# Altium PCB BB.PcbDoc (part 4 of 5)
Units mil, origin at the board's own origin, x right, y up, seen from the top; angles counter-clockwise.
Board outline 6700 x 3500 mil, 4 copper layers (Component Side, Ground Plane, Power Plane, Solder Side), stack 61.197 mil thick; 420 components, 358 nets, 1634 pads, 962 vias.
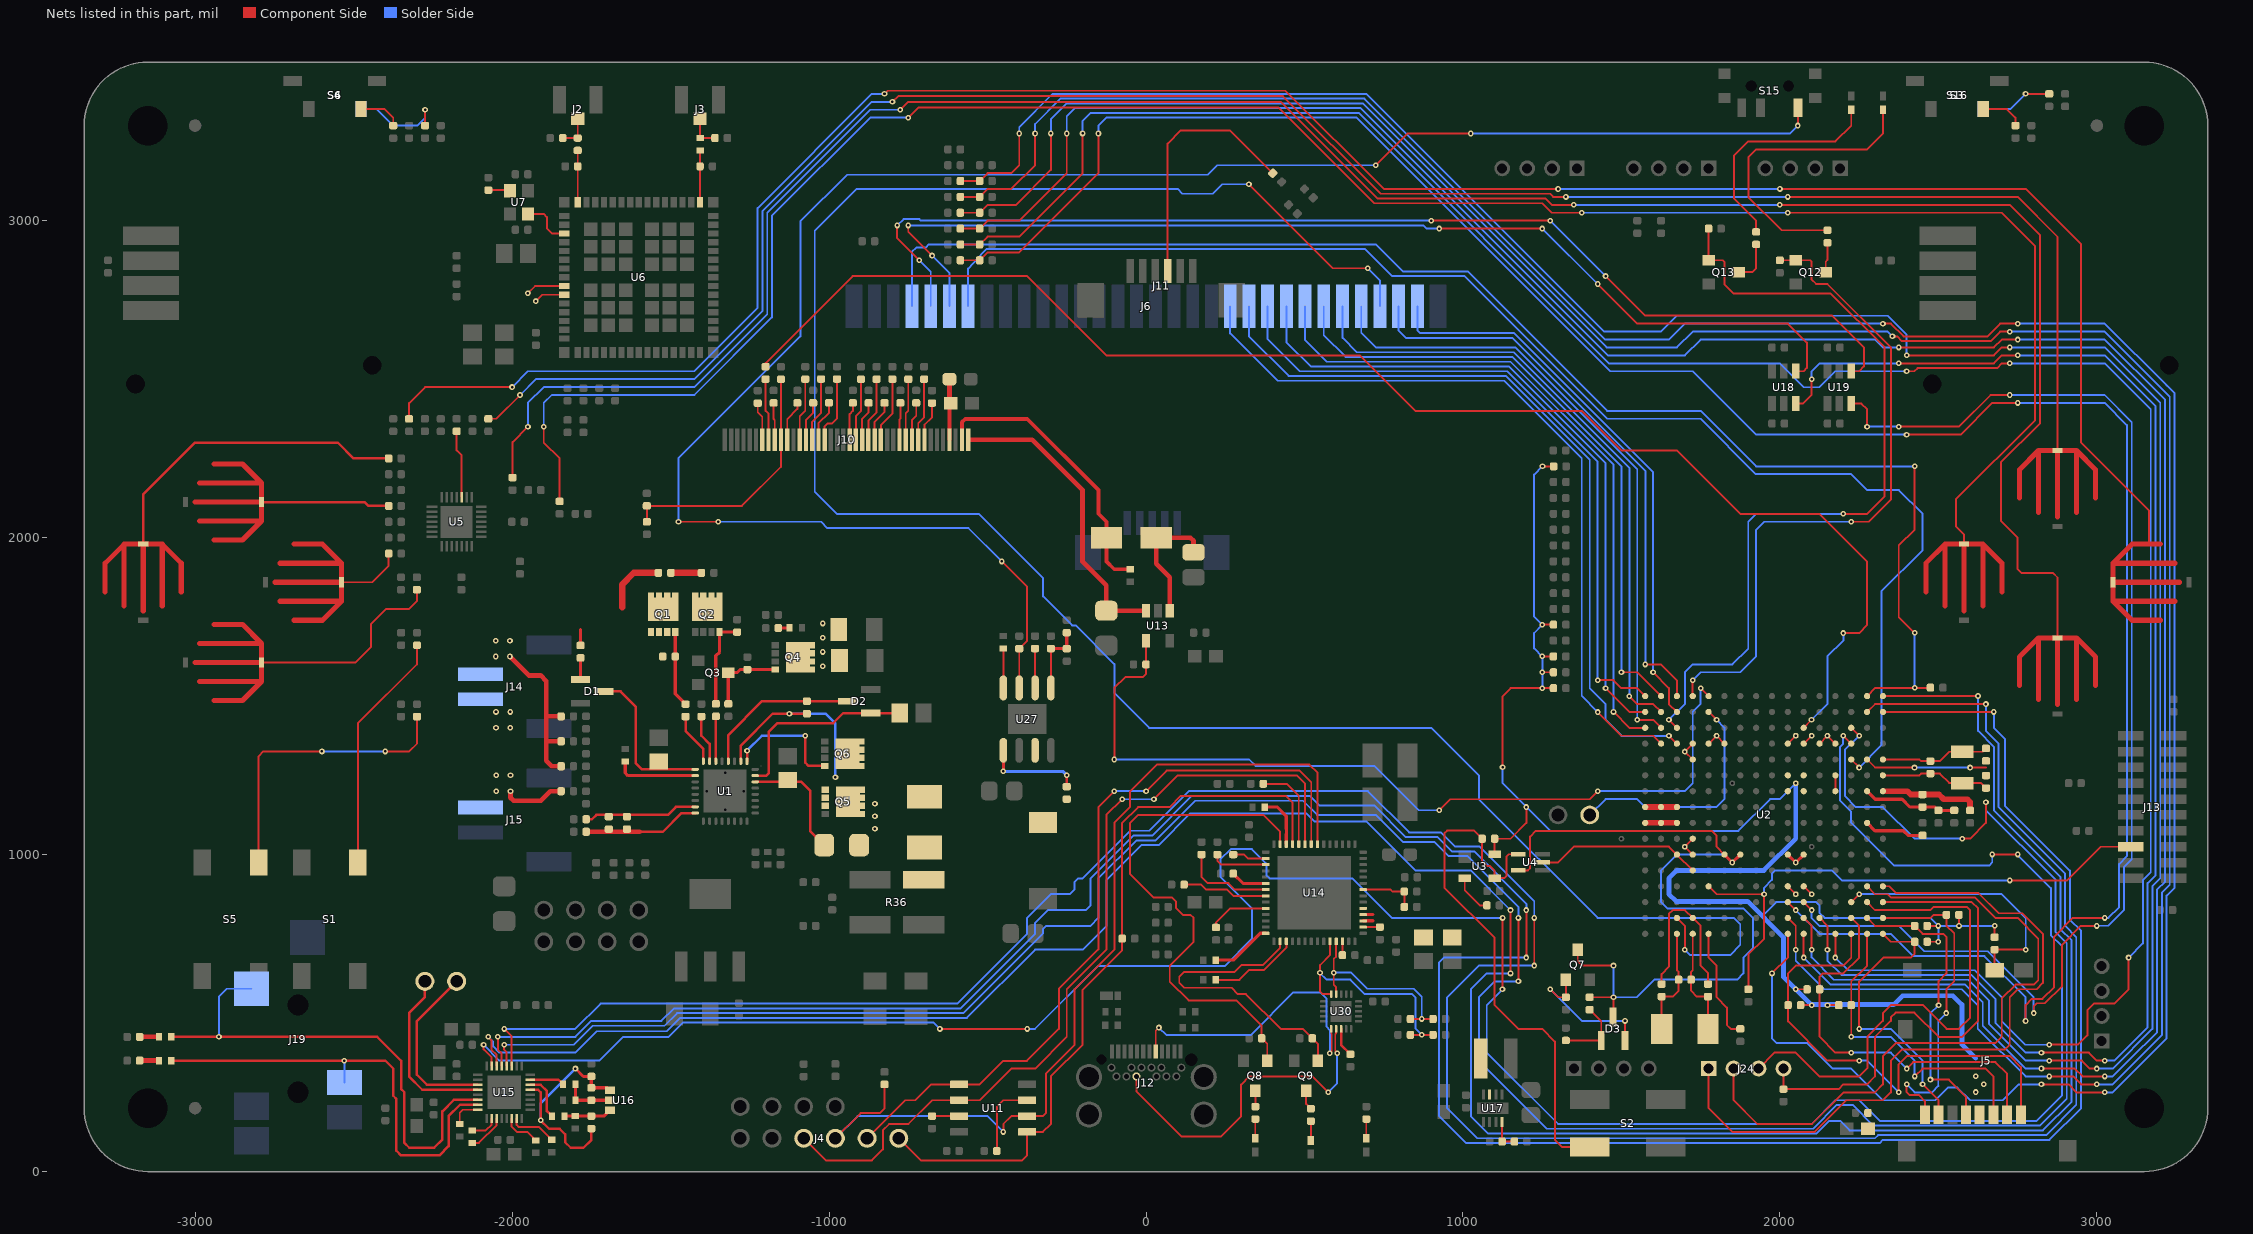
[diagram p6: the nets of this part, all layers, seen from the top]

## Via types
v1: diameter 18, hole 8, Component Side to Solder Side, tented both sides, 907 vias
v2: diameter 19.68, hole 8, Component Side to Solder Side, 32 vias
v3: diameter 24, hole 10, Component Side to Solder Side, tented both sides, 9 vias
v4: diameter 18, hole 8, Component Side to Solder Side, 6 vias
v5: diameter 19.68, hole 7.87, Component Side to Solder Side, 4 vias
v6: diameter 19.68, hole 8, Component Side to Solder Side, tented both sides, 4 vias

## Nets (pads, with @x,y where several pads share a name; then routed paths per layer and width w, separated by ;. In a path a pad name is that pad's centre, name@x,y a point inside that pad or via, vN(x,y) a via of type N, cw(c..) or ccw(c..) an arc to the next point about the centre after c; other vN are vias at no path point) (continued)
LCD_TOUCH_SDA: J11.4 R125.2 | length 806.9
  Component Side w6: J11.4@68.03,2841.54 68.03,3243.21 109.82,3285 265,3285 R125.2@400,3150
LCD_VSYNC: R178.1 U2.F3 | length 4610
  Component Side w6: R178.1@-1200,2539.37 -1200,2550.37 -925.37,2825 -375,2825 -125,2575 674.67,2575 849.67,2400 1375,2400 1500,2275 1675,2275 1874.86,2075.14 2124.86,2075.14 2275.33,1924.67 2275.33,1724.52 2249.81,1699 v1(2200,1699) ; U2.F3@2074.67,1400 v1(2099.67,1425)
  Solder Side w6: v1(2099.67,1425) 2149.67,1475 2149.67,1625 2200,1675.33 v1(2200,1699)
LED0: Q12.1 R129.1 U2.N1 | length 2122.7
  Component Side w6: v1(1724.8,1550) 1724.8,1500.2 U2.N1@1725,1500 ; R129.1@1999.67,2875 Q12.1@2050,2875 2095,2875 2100,2870 2100,2814.37 2114.17,2800.2 2149.8,2800.2 2350,2600 2350,2119.47 2280.53,2050 v1(2225,2050)
  Solder Side w6: v1(1724.8,1550) 1749.95,1575.15 1875,1575.15 1925,1625.15 1925,2025 1950,2050 v1(2225,2050)
LED1: Q13.1 R170.1 U2.P3 | length 2580.4
  Component Side w6: v1(1650,1425) U2.P3@1675,1400 ; R170.1@1775,2975 Q13.1@1775,2875 1820,2875 1825,2870 1825,2800 1855,2770 2160,2770 2330,2600 2330,2130 2275,2075 v1(2199.43,2075)
  Solder Side w6: v1(1650,1425) 1700,1475 1700,1575.35 1724.8,1600.15 1850.15,1600.15 1900,1650 1900,2050 1925,2075 v1(2199.43,2075)
LED_BACKLIGHT_PWM: R106.1 U2.M1 U13.4 | length 2721.4
  Component Side w6: v1(-100,1300) -100,1525.61 -65.61,1560 -9.65,1560 -0.08,1569.57 R106.1@-0.08,1600 ; R106.1@0.12,1600.2 U13.4@0.12,1675 ; v1(925,1140) 959.59,1174.59 1399.59,1174.59 v1(1425,1200) ; v1(1749.9,1525.1) U2.M1@1775,1500
  Component Side w12: R106.1@-0.08,1600 R106.1@0.12,1600.2
  Solder Side w6: v1(-100,1300) 325.33,1300 345.61,1279.72 720.61,1279.72 860.33,1140 v1(925,1140) ; v1(1425,1200) 1699.56,1200 1725,1225.44 1725,1450.33 1749.9,1475.24 v1(1749.9,1525.1)
LED_N: J10.1 R107.1 U13.3 | length 960.7
  Component Side w15: J10.1@-558.07,2309.06 -359.06,2309.06 -200.08,2150.08 -200.08,1924.64 -125.08,1849.64 R107.1@-125.08,1769.49 U13.3@0.12,1769.49
LED_P: C49.2 D4.2 J10.2 | length 892.9
  Component Side w12: J10.2@-580.71,2320 -580.71,2364.29 -570.31,2374.69 -374.88,2374.69 -150,2149.8 -150,2075.14 -125.08,2050.22 D4.2@-125.08,1999.67 -125.08,1925 -100.08,1900 C49.2@-50.08,1900
LODRV: Q6.4 U1.25 | length 387.3
  Component Side w8: U1.25@-1258.78,1294.49 v1(-1258.78,1327.95) ; v1(-1075,1375) -1075,1290 -1064.72,1279.72 Q6.4@-1013.7,1279.72
  Solder Side w8: v1(-1258.78,1327.95) -1211.73,1375 v1(-1075,1375)
MCASP0_ACLKX: U2.A1 U15.14 | length 8314
  Component Side w6: v1(-2075,425) -2065,415 -2065,384.25 -2048.8,368.05 U15.14@-2048.8,332.84 ; v1(1150,625) v1(1150,825) ; U2.A1@2325,1500 2325.39,1500.39 v1(2625,1500.39)
  Solder Side w6: v1(-2075,425) -2060,410 -2060,395 -2040,375 -1800.33,375 -1732.58,442.74 -1511.4,442.74 -1469.14,485 -565,485 -350,700 -200,700 -124.37,775.63 -124.37,920.63 -15,1030 40,1030 140,1130 505.89,1130 530.89,1105 695.15,1105 850.15,950 1025,950 v1(1150,825) ; v1(1150,625) 1075,625 1025,575 1025,175 1080,120 2115,120 2155,160 2190,160 2220,130 2830,130 2920,220 2920,729.44 2885,764.44 2885,930 2675,1140 2675,1340 2625,1390 v1(2625,1500.39)
MCASP0_AHCLKX: U2.C4 U15.15 | length 8208.1
  Component Side w6: v1(-2090,400) -2090,385.31 -2064.55,359.86 U15.15@-2064.55,332.84 ; v1(-650,450) v1(-375,450) ; v1(1124.65,575) 1125,575.35 v1(1125,800) ; v1(2200,1375.33) U2.C4@2225,1350.33 ; v1(2670,1000.55) v1(2750,1000.55)
  Solder Side w6: v1(-2090,400) -2040,350 -1725,350 -1650,425 -1506.06,425 -1461.18,469.88 -669.88,469.88 v1(-650,450) ; v1(-375,450) -350.22,450 -152.1,648.11 248.11,648.11 334.41,734.41 334.41,830.59 235,930 235,985 267.59,1017.59 333.91,1017.59 380,971.5 380,935 390,925 650.2,925 775.2,800 v1(1125,800) ; v1(1124.65,575) 1125,575 1075,525 1075,374.92 1299.92,150 2100,150 2175,225 2250,225 2315,160 2810,160 2890,240 2890,710.83 2855,745.83 2855,894.41 v1@2749.43,999.98 ; v1@2199.43,1375.33 2199.43,1349.43 2190,1340 2190,1170 2224.9,1135.1 2224.9,1100.43 2360.02,965.32 2660,965.32 2670,975.32 v1(2670,1000.55)
MCASP0_AXR0: U2.B2 U15.11 | length 8579.9
  Component Side w6: v1(-2025.18,450) -2001.56,426.38 U15.11@-2001.56,332.84 ; v1(1225,650) v1(1225,800.12) ; U2.B2@2275,1450 2300,1475 v1(2650,1475)
  Solder Side w6: v1(-2025.18,450) -1800.59,450 -1720.59,530 -595,530 -375,750 -375,800 -299.8,875.2 -239.8,875.2 -225,890 -225,913.6 -213.6,925 -200,925 -49.85,1075.15 10.15,1075.15 135,1200 700,1200 830,1070 930,1070 975,1025 1052.24,1025 1225,852.24 v1(1225,800.12) ; v1(1225,650) 1050,650 950,550 950,200 1045,105 2300,105 2310,115 2840,115 2935,210 2935,739.55 2899.67,774.88 2899.67,939.74 2690,1149.41 2690,1350 2650,1390 v1(2650,1475)
MCASP0_AXR1: U2.C3 U15.12 | length 8298.8
  Component Side w6: v1(-2025.18,400) -2025.18,384.86 -2017.3,376.99 U15.12@-2017.3,332.84 ; v1(1175,600) v1(1175,800) ; U2.C3@2225,1400 v1(2250,1375) ; v1(2574.85,1050.33) 2600.48,1050.33 2650,1099.85 v1(2650,1165)
  Solder Side w6: v1(-2025.18,400) -1805,400 -1745,460 -1519.14,460 -1479.51,499.63 -576,499.63 -325,750.63 -325,765 -315,775 -175,775 -150,800 -150,924.74 -29.74,1045 30.77,1045 155.77,1170 495.33,1170 540,1125.33 724.68,1125.33 810.02,1040 909.67,1040 954.67,995 1015,995 1175,835 v1(1175,800) ; v1(1175,600) 1100,600 1050,550 1050,349.84 1264.84,135 1950,135 2104.9,135 2179.9,210 2230,210 2295,145 2820,145 2905,230 2905,720.02 2870,755.02 2870,920.32 2650.17,1140.15 v1@2650.17,1165 ; v1(2250,1375) 2205,1330 2205,1185 2240,1150 2325,1150 2424.67,1050.33 v1(2574.85,1050.33)
MCASP0_FSX: U2.A2 U15.13 | length 8624.1
  Component Side w6: v1(-2044.86,425) -2044.86,384.86 -2033.05,373.05 U15.13@-2033.05,332.84 ; v1(1200,675) v1(1200,825) ; U2.A2@2325,1450 2325.33,1450.33 2325.67,1450 v1(2675,1450)
  Solder Side w6: v1(-2044.86,425) -1800,425 -1750,475 -1529.14,475 -1489.14,515 -585,515 -350,750 -350,785 -310,825 -190,825 -175,840 -175,925.21 -40.21,1060 20,1060 145,1185 517.04,1185 547.04,1155 720.02,1155 820.02,1055 920,1055 965,1010 1035,1010 1200,845 v1(1200,825) ; v1(1200,675) 940,675 925,660 925,175 1010,90 2315,90 2325,100 2850,100 2950,200 2950,760 2915,795 2915,949.73 2710,1154.73 2710,1365 2675,1400 v1(2675,1450)
MMC0_CD: J5.10 R103.2 U2.C14 | length 854.9
  Component Side w6: U2.C14@2225,850 v1(2250,875) ; J5.10@2677.56,634.88 R103.2@2677.56,700 v1(2775.59,700)
  Solder Side w6: v1@2250,875.2 2699.8,875.2 2775.59,799.41 v1(2775.59,700)
MMC0_CLK: J5.5 R102.2 U2.B15 | length 936.7
  Component Side w6: U2.B15@2275,800 2300,775 R102.2@2425,775 2450,750 2515,750 2525,740 2525,625.28 2500.51,600.79 v1(2500.51,525) ; v1(2475,290.1) 2532.87,290.1 2587.01,235.96 J5.5@2587.01,179.17
  Solder Side w6: v1(2475,290.1) 2475,499.49 v1(2500.51,525)
MMC0_CMD: J5.3 R101.2 U2.B16 | length 1017
  Component Side w6: v1(2225,425) R101.2@2225,525.08 2225,600 2275,650 U2.B16@2275,750 ; v1(2425,300.08) 2450,325.08 2648.74,325.08 2673.62,300.2 J5.3@2673.62,179.17
  Solder Side w6: v1(2225,425) 2350,425 2425,350 v1(2425,300.08)
MMC0_DAT0: J5.7 R97.2 U2.A16 | length 941.8
  Component Side w6: v1(2250.08,450) 2250.08,599.15 2325.93,675 2412.87,675 2425,687.13 R97.2@2425,725 2350,725 U2.A16@2325,750 ; v1(2450,275) 2500.39,224.61 J5.7@2500.39,179.17
  Solder Side w6: v1(2250.08,450) 2350,450 2450,350 v1(2450,275)
MMC0_DAT1: J5.8 R98.2 U2.A15 | length 1031
  Component Side w6: U2.A15@2325,800 2475.91,800 2485.91,810 2525,810 2525,776.08 2550,751.08 2550,600.67 2525,575.67 v1(2525,500) ; v1(2400,275) 2400,250.67 2409.68,240.98 2438.86,240.98 2457.44,222.4 J5.8@2457.44,179.06
  Solder Side w6: v1(2400,275) 2425,250 2480,250 2500,270 2499.67,270.33 2499.67,474.67 v1(2525,500)
MMC0_DAT2: J5.1 R99.2 U2.C16 | length 1538.6
  Component Side w6: U2.C16@2225,750 2225,675 2200,650 2050,650 2025.68,625.68 R99.2@2025.68,525 2025.68,473.98 2149.67,350 v1(2250,350) ; v1@2374.67,250 2374.67,338.17 2401.49,365 2725,365 2760.24,329.76 J5.1@2760.24,179.17
  Solder Side w6: v1(2250,350) 2275,350 v1(2375,250)
MMC0_DAT3: J5.2 R100.2 U2.C15 | length 1260.7
  Component Side w6: v1(2224.9,375) 2175.34,375 2125,425.34 R100.2@2125,575 2125,614.84 2135.43,625.28 2200.28,625.28 2250,675 2250,775 U2.C15@2225,800 ; v1(2400,325) 2420,345 2680,345 2716.93,308.07 J5.2@2716.93,179.17
  Solder Side w6: v1(2224.9,375) 2350,375 v1(2400,325)
MMC1_CLK: J6.2 U2.P2 | length 1792.6
  Component Side w6: v1(1599.85,1575.15) 1650,1525 1650,1475 U2.P2@1675,1450
  Solder Side w6: J6.2@856.2,2730 856.2,2654.55 865.75,2645 1161.84,2645 1599.85,2206.99 v1(1599.85,1575.15)
MMC1_CMD: J6.3 U2.P1 | length 1819.5
  Component Side w6: v1(1575,1600) 1624.8,1600 1675,1549.8 U2.P1@1675,1500
  Solder Side w6: J6.3@797.14,2730 797.14,2652.86 820,2630 1155.62,2630 1575.33,2210.29 v1@1575.33,1600
MMC1_DAT0: J6.5 U2.R3 | length 2008.9
  Component Side w6: v1(1550,1425) 1600,1425 U2.R3@1625,1400
  Solder Side w6: J6.5@679.03,2730 679.03,2645.97 725,2600 1165,2600 1550,2215 v1(1550,1425)
MMC1_DAT1: J6.6 U2.R2 | length 2015.4
  Component Side w6: v1@1525.17,1500.17 1550.33,1475 1600,1475 U2.R2@1625,1450
  Solder Side w6: J6.6@619.98,2730 619.98,2630.02 665,2585 1160,2585 1525,2220 v1(1525,1500)
MMC1_DAT2: J6.7 U2.R1 | length 2007.5
  Component Side w6: v1(1500,1575.15) 1549.85,1575.15 U2.R1@1625,1500
  Solder Side w6: J6.7@560.92,2730 560.92,2639.08 630,2570 1155,2570 1500,2225 v1(1500,1575.15)
MMC1_DAT3: J6.8 U2.T3 | length 2143.6
  Component Side w6: v1(1475,1450) 1525,1400 U2.T3@1575,1400
  Solder Side w6: J6.8@501.87,2730 501.87,2623.13 570,2555 1150,2555 1475,2230 v1(1475,1450)
MMC1_DAT4: J6.9 U2.T2 | length 2144.4
  Component Side w6: v1(1450,1525) 1525,1450 U2.T2@1575,1450
  Solder Side w6: J6.9@442.81,2730 442.81,2617.19 520,2540 1145,2540 1450,2235 v1(1450,1525)
MMC1_DAT5: J6.10 U2.T1 | length 2165.3
  Component Side w6: v1(1425,1550.39) 1474.61,1550.39 1500,1525 1550,1525 U2.T1@1575,1500
  Solder Side w6: J6.10@383.76,2730 383.76,2626.24 485,2525 1139.65,2525 1425,2239.65 v1(1425,1550.39)
MMC1_DAT6: J6.11 U2.P4 | length 2428.4
  Component Side w6: v1(1650,1374.67) U2.P4@1675,1349.67
  Solder Side w6: J6.11@324.7,2730 324.7,2635.3 450,2510 1135,2510 1400,2245 1400,1525 1450,1475 1450,1425.33 1500.67,1374.67 v1(1650,1374.67)
MMC1_DAT7: J6.12 U2.R4 | length 2420.4
  Component Side w6: v1(1425.51,1449.67) 1500.18,1375 1600,1375 U2.R4@1625,1350
  Solder Side w6: J6.12@265.65,2730 265.65,2644.35 415,2495 1130,2495 1374.79,2250.21 1374.79,1500.39 v1(1425.51,1449.67)
MMC1_SDCD: J6.4 U2.P15 | length 6874
  Component Side w6: v1(324.7,3115) 589.7,2850 v1(700,2850) ; U2.P15@1675,800 1700,775 v1(1700,700)
  Solder Side w6: v1(324.7,3115) 240,3115 210,3085 115,3085 100,3100 -912.75,3100 -1045.2,2967.55 -1045.2,2145.2 -975.14,2075.14 -527.71,2075.14 -324.9,1872.33 -324.9,1814.74 -233.39,1723.23 -222.36,1723.23 -100,1600.87 -100,1509.84 9.84,1400 900,1400 1050,1250 1050,1174.92 1424.8,800.12 1854.88,800.12 1875,780 1875,715 1843,683 1717,683 v1(1700,700) ; v1(700,2850) 738.09,2811.91 J6.4@738.09,2730
MMC2_CLK: R84.2 R86.1 U2.D16 | length 7610
  Component Side w6: R86.1@-585.63,2925 R84.2@-525,2925.04 -500,2950 -400,2950 -200,3150 v1@-200,3275.18 ; v1(2175,675) U2.D16@2175,750 ; v1(2399.66,2525) 2424.57,2525 2434.57,2535 2685.02,2535 2700.02,2550 v1(2725,2550) ; v1@2850,400.98 2941.14,400.98 2970,429.84 2970,509.49 2990.51,530 3055.16,530 3100,574.84 v1(3100,675)
  Solder Side w6: v1(-200.08,3275.18) -200,3275.26 -200,3315 -175,3340 670.71,3340 1460.71,2550 1999.67,2550 2075.08,2474.59 2124.25,2474.59 2174.67,2525 v1(2399.66,2525) ; v1(2175,675) 2215,635 2615,635 2700,550 2700,474.73 2774.73,400 v1(2850,400) ; v1(2725,2550) 3025.33,2550 3170,2405.33 3170,944.74 3145,919.74 3145,720 v1(3100,675)
MMC2_CMD: R83.2 R87.1 U2.G14 | length 7486.2
  Component Side w6: R87.1@-585.63,2875 R83.2@-525,2875 -500,2900 -400,2900 -150,3150 v1@-150,3275 ; U2.G14@2025,850 v1(2050,825) ; v1(2399.66,2325) 2570,2325 2670,2425 v1(2750,2425) ; v1(2775,475) 2775,524.84 2795.16,545 2828.35,545 2865,581.65 2865,740.91 2924.21,800.12 v1(3025,800.12)
  Solder Side w6: v1(-150.08,3275) -150,3275.08 -150,3299.76 -124.76,3325 664.5,3325 1464.5,2525 1725,2525 1925,2325 v1(2399.66,2325) ; v1(2050,825) 2125,750 2350,750 2420,680 2645,680 2775,550 v1(2775,475) ; v1(2750,2425) 3025,2425 3095,2355 3095,995 3070,970 3070,834 3036.12,800.12 v1(3025,800.12)
MMC2_DAT0: R82.2 R88.1 U2.F16 | length 7958.8
  Component Side w6: R88.1@-585.63,2975 R82.2@-525,2975 -500,3000 -400,3000 -250,3150 v1@-250,3275 ; v1(2075,675) U2.F16@2075,750 ; v1(2375,2600) 2675.02,2600 2700.02,2625 v1(2750,2625) ; v1@2825,325 2930.08,325 2955,300.08 v1(3025,300.08)
  Solder Side w6: v1(-250.08,3275) -250,3275.08 -250,3330 -225,3355 676.92,3355 1456.92,2575 1700,2575 1750,2625 2300,2625 2325,2600 v1(2375,2600) ; v1(2075,675) 2160,590 2584.28,590 2640,534.28 2640,460 2774.92,325.08 v1(2825,325.08) ; v1(2750,2625) 3025,2625 3215,2435 3215,915 3190,890 3190,440 3105.1,355.1 3105,355.1 3049.98,300.08 v1(3025,300.08)
MMC2_DAT1: R81.2 R89.1 U2.G15 | length 8096.5
  Component Side w6: R89.1@-585.63,3025 R81.2@-525,3025 -500,3050 -410,3050 -300,3160 v1@-300,3275.18 ; U2.G15@2025,800 2050,775 v1(2050,700) ; v1(2355,2635) 2370,2635 2385,2620 2665,2620 2695,2650 v1(2725,2650) ; v1(2850,300) 2925,300 2950,275 v1(3000,275)
  Solder Side w6: v1(-300.08,3275.18) -300,3275.26 -300,3320 -250,3370 683.14,3370 1453.14,2600 1675,2600 1724.9,2649.9 2340.1,2649.9 v1(2355,2635) ; v1(2050,700) 2050,665 2140,575 2574.17,575 2624.17,525 2624.17,450.83 2775,300 v1(2850,300) ; v1(2725,2650) 3025,2650 3230,2445 3230,905 3205,880 3205,430 3050,275 v1(3000,275)
MMC2_DAT2: R80.2 R90.1 U2.G16 | length 8351.6
  Component Side w6: R90.1@-585.63,3075 R80.2@-525,3075 -500,3100 -425,3100 -350,3175 v1@-350,3275 ; v1(1975,625) 2025,675 U2.G16@2025,750 ; v1(2325,2675) 2350,2675 2390,2635 2655,2635 2695,2675 v1(2750,2675) ; v1(2825,275) 2910.63,275 2935.63,250 v1(3025,250)
  Solder Side w6: v1(-350.08,3275) -350,3275.08 -350,3305 -270,3385 689.35,3385 1449.35,2625 1650,2625 1700,2675 v1(2325,2675) ; v1(1975,625) 1975,420 1990,405 2086.65,405 2166.81,324.84 2225.16,324.84 2325.16,224.84 2489.84,224.84 2530,265 2560,265 2600,225 2703.75,225 2753.75,275 v1(2825,275) ; v1(2750,2675) 3025,2675 3220,2480 3245,2455 3245,895.35 3220,870.35 3220,420 3050,250 v1(3025,250)
MMC2_DAT3: R79.2 R91.1 U2.F15 | length 7909.9
  Component Side w6: R91.1@-585.63,3125 R79.2@-525,3125 -500,3150 -425,3150 -400,3175 v1@-400,3275 ; U2.F15@2075,800 2100,775 v1(2100,700) ; v1(2400,2575) 2675.02,2575 2700.02,2600 v1(2725,2600) ; v1(2849.67,350) 2952.64,350 2977.64,325 v1(3000,325)
  Solder Side w6: v1(-400.08,3275) -400,3275.08 -400,3295 -295,3400 -225,3400 695.56,3400 1445.66,2649.9 1624.7,2649.9 1674.8,2700 2340,2700 2400,2640 v1(2400,2575) ; v1(2100,700) 2100,675.33 2170.33,605 2594.17,605 2660,539.17 2660,465 2775,350 v1(2849.67,350) ; v1(2725,2600) 3025.33,2600 3200,2425.33 3200,925 3175,900 3175,450 3050,325 v1(3000,325)
NetC1_1: C1.1 C2.1 U2.N15 | length 550
  Component Side w6: C1.1@1627,591.37 1627,623 1650,646 1650,813.09 1661.91,825 1700,825 U2.N15@1725,800 1750,775 1750,650 1773,627 C2.1@1773,591.37
NetC1_2: C1.2 CR1.2 R61.2 U2.P16 | length 344.8
  Component Side w6: CR1.2@1627,450 C1.2@1627,552 1662,552 1680.32,570.32 R61.2@1680.31,605.32 1680.32,629.68 1675,635 U2.P16@1675,750
NetC2_2: C2.2 CR1.1 R61.1 U2.N16 | length 344.8
  Component Side w6: U2.N16@1725,750 1725,635 1719.68,629.68 R61.1@1719.68,605.32 1719.68,570.32 1738,552 C2.2@1773,552 CR1.1@1773,450
NetC3_2: C3.2 C4.2 R62.1 U2.B7 | length 300.2
  Component Side w10: U2.B7@2275,1200 2300.59,1174.41 2385.59,1174.41 2410,1150 R62.1@2450,1150 2489.27,1150 C4.2@2499.9,1139.37 2500.01,1139.26 C3.2@2550,1139.26
NetC6_1: C6.1 C7.1 U2.B5 | length 385.4
  Component Side w6: U2.B5@2275,1300 2300,1275 v1@2424.67,1275 ; v1@2599.9,1275 2650,1275
  Solder Side w6: v1(2424.67,1274.67) v1(2599.9,1274.67)
NetC6_2: C6.2 R63.2 U2.A6 Y1.1 | length 346
  Component Side w6: U2.A6@2325,1250 2440,1250 2445.31,1255.32 2469.68,1255.32 2504.68,1255.32 2533.88,1226.12 2633.88,1226.12 C6.2@2650,1210
NetC7_2: C7.2 R63.1 U2.A5 Y1.2 | length 343.9
  Component Side w6: U2.A5@2325,1300 2440,1300 2445.31,1294.68 2469.68,1294.69 2504.68,1294.68 2534.55,1324.55 2639.55,1324.55 C7.2@2650,1335
NetC15_1: C15.1 C16.2 | length 96.5
  Component Side w20: C15.1@-1498.94,1888.98 C16.2@-1402.48,1888.98
NetC15_2: C15.2 J14.1 Q1.1 Q1.2 Q1.3 R18.1 R20.1 R21.1 R25.1 R29.1 | length 782.1
  Component Side w10: R20.1@-1784.09,1660 -1784.09,1710
  Component Side w15: v1(-2006.75,1625) -1946.83,1565.08 -1909.65,1565.08 -1892.01,1547.44 -1892.01,1296.46 -1874.29,1278.74 R29.1@-1845.59,1278.74 ; -1884.96,1357.48 R25.1@-1845.59,1357.48 ; -1884.96,1436.22 R21.1@-1845.59,1436.22
  Component Side w20: -1652.68,1780 -1652.68,1852.13 -1615.83,1888.98 C15.2@-1538.31,1888.98
  other v1: -2051.75,1625 -2051.75,1675 -2006.75,1675
NetC18_2: C18.2 U1.2 | length 260.7
  Component Side w10: C18.2@-1643.11,1293.9 -1643.11,1257.56 -1634.76,1249.21 U1.2@-1422.17,1249.21
NetC19_2: C19.2 D1.3 U1.1 | length 495.7
  Component Side w8: D1.3@-1711.26,1515 -1657.91,1515 -1610,1467.09 -1610,1288.41 -1590.48,1268.9 U1.1@-1422.17,1268.9
NetC22_2: C22.2 R32.1 U1.22 | length 375.2
  Component Side w8: U1.22@-1233.19,1229.53 -1087.52,1229.53 -1060,1202.01 -1060,1074.88 R32.1@-1015.12,1030
NetC23_2: C23.2 R28.2 | length 35.2
  Component Side w10: R28.2@-1160.35,1715 C23.2@-1125.16,1715
NetC25_2: C25.2 D2.3 U1.28 | length 505.7
  Component Side w8: U1.28@-1317.83,1294.49 -1317.83,1377.17 -1211.06,1483.94 C25.2@-1069.8,1483.94 -946.54,1483.94 D2.3@-941.22,1489.25
NetC26_2: C26.2 C27.2 Q4.5 Q4.6 Q4.7 Q4.8 Q4.TAB Q5.5 Q5.6 Q5.7 Q5.8 Q5.TAB R32.2
  other v1: -855.24,1081.89 -855.24,1121.26 -855.24,1160.63 -1019.8,1594.25 -1019.8,1639.25 -1019.8,1684.25 -1019.8,1729.25
NetC30_2: C30.2 U14.3 | length 284.5
  Component Side w6: C30.2@220,604.77 294.41,604.77 324.88,635.24 371.54,635.24 442.68,706.38 U14.3@442.68,726.06
NetC32_2: C32.2 L4.2 U14.17 U14.18 | length 63
  Component Side w10: U14.17@684.8,791.02 716.3,791.02 ; U14.18@684.8,810.71 716.3,810.71
NetC33_1: C33.1 C34.2 R33.2 U1.8 | length 368.4
  Component Side w8: -1597.36,1072.05 -1524.53,1072.05 -1465.47,1131.1 U1.8@-1422.17,1131.1
  Component Side w15: R33.2@-1766.06,1072.05 -1597.36,1072.05
NetC33_2: C33.2 C34.1 R35.2 U1.7 | length 360.2
  Component Side w8: R35.2@-1766.06,1111.42 -1748.07,1111.42 -1734.29,1125.2 -1508.78,1125.2 -1483.19,1150.79 U1.7@-1422.17,1150.79
NetC35_2: C35.2 D2.1 U1.23 | length 614.3
  Component Side w8: U1.23@-1233.19,1249.21 -1197.76,1249.21 -1189.88,1257.09 -1189.88,1387.83 -1162.71,1415 -986.65,1415 -955.12,1446.54 D2.1@-868.39,1446.54 C35.2@-777.2,1446.54
NetC43_1: C43.1 J2.3 L3.2 | length 107.7
  Component Side w6: L3.2@-1840,3260.81 C43.1@-1792.91,3260.81 J2.3@-1792.91,3321.44
NetC44_1: C44.1 J3.3 L6.2 | length 107.7
  Component Side w6: J3.3@-1407.09,3321.44 C44.1@-1407.09,3260.81 L6.2@-1360,3260.81
NetC62_2: C62.2 J10.4 L8.1 | length 190.9
  Component Side w12: J10.4@-620.08,2309.06 C62.2@-620.08,2424.67
  Component Side w15: C62.2@-620.08,2424.67 L8.1@-620.08,2500
NetC63_1: C63.1 R131.1 | length 60.6
  Component Side w15: R131.1@-3175,350 C63.1@-3114.37,350
NetC63_2: C63.2 J19.3 U15.23 | length 1426.9
  Component Side w8: C63.2@-3075,350 v1@-2529.33,350 ; v1(-2529.33,349.63) -2399.63,349.63 -2375,325 -2375,239.21 -2365,229.21 -2365,65.63 -2350.26,50.89 -2229.11,50.89 -2200,80 -2200,174.85 -2164.06,210.79 U15.23@-2107.85,210.79
  Solder Side w6: J19.3@-2529.33,281.5 v1(-2529.33,349.63)
NetC64_1: C64.1 R132.1 | length 60.6
  Component Side w15: R132.1@-3175,425 C64.1@-3114.37,425
NetC64_2: C64.2 J19.2 U15.22 | length 1612.2
  Component Side w8: C64.2@-3075,425 v1(-2925,425) -2425.37,425 -2350,349.63 -2350,260.22 -2340,250.22 -2340,90.63 -2324.37,75 -2246.26,75 -2220,101.26 -2220,190 -2183.46,226.54 U15.22@-2107.85,226.54
  Solder Side w6: v1(-2925,425) -2925,551.77 -2900,576.77 J19.2@-2822.64,576.77
NetC65_1: C65.1 U15.6 | length 146
  Component Side w8: U15.6@-1942.5,273.78 -1910,273.78 -1890,253.78 -1890,190.63 C65.1@-1874.37,175
NetC65_2: C65.2 C70.1 R134.2 U16.3 | length 151.2
  Component Side w10: C65.2@-1835,175 C70.1@-1800,175 R134.2@-1750,175 -1710.39,175 U16.3@-1691.57,193.82
NetC66_1: C66.1 U15.7 | length 109.1
  Component Side w8: U15.7@-1942.5,289.53 -1853.9,289.53 C66.1@-1839.37,275
NetC66_2: C66.2 C69.1 R133.2 U16.2 | length 158.6
  Component Side w10: C66.2@-1800,275 C69.1@-1800,224.84 R133.2@-1750,224.84 U16.2@-1691.57,224.84
NetC68_2: C68.2 R133.1 R134.1 U15.5 U16.1 | length 747.8